# Altium PCB SbusServoTray.PcbDoc
Units mil, origin at the board's own origin, x right, y up, seen from the top; angles counter-clockwise.
Board outline 4454.24 x 1342.19 mil, 2 copper layers (Top Layer, Bottom Layer); 14 components, 13 nets, 47 pads, 7 vias.
Unrouted connection lines stored in the file: 7.
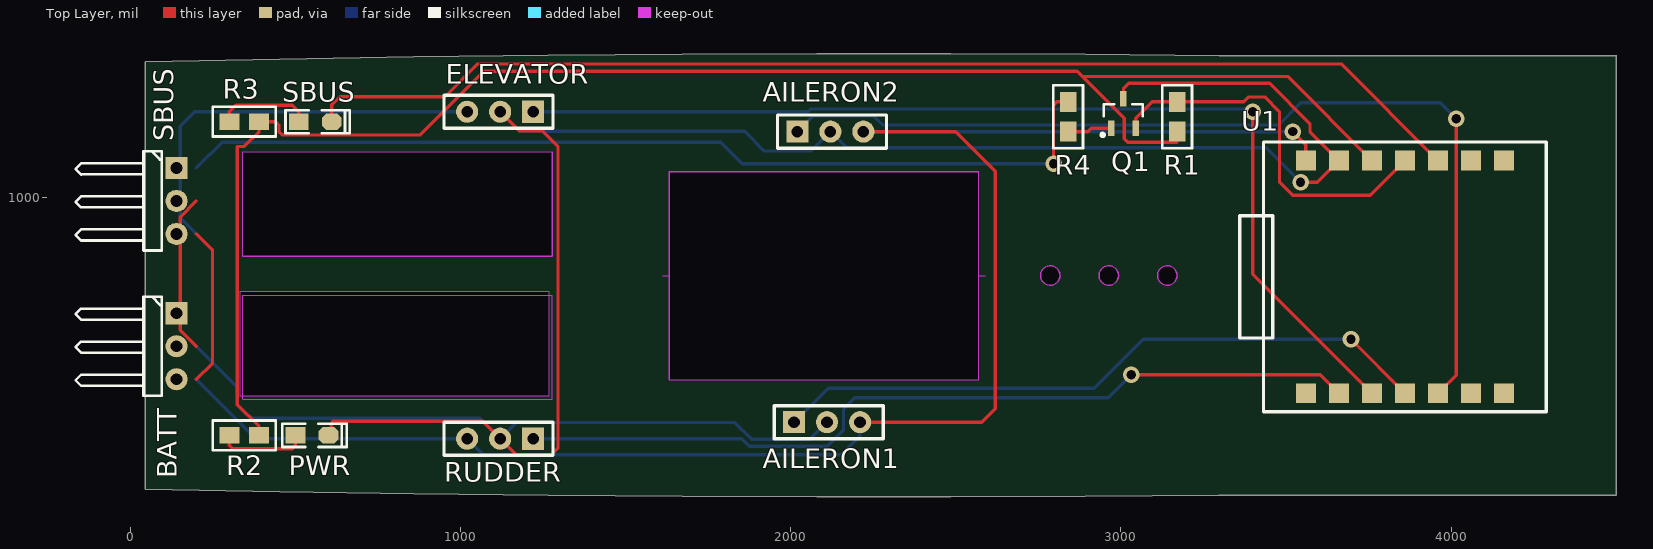
[diagram p0: Top Layer view]
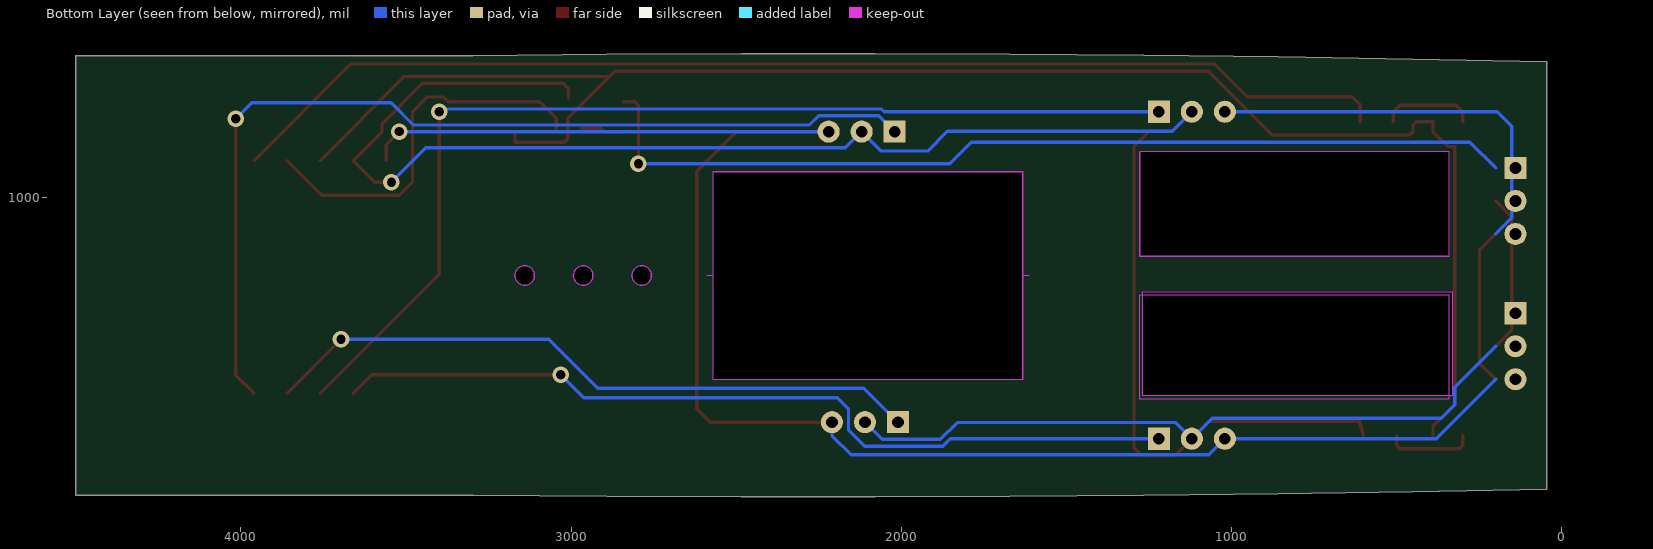
[diagram p1: Bottom Layer view, seen from below]

## Layer stack, top to bottom
Top Solder: solder mask 0.4, Solder Resist, Dk 3.5
Top Layer: signal copper 1.4
Dielectric 1: dielectric 12.6, FR-4, Dk 4.8
Bottom Layer: signal copper 1.4
Bottom Solder: solder mask 0.4, Solder Resist, Dk 3.5

## Board outline
45.76,117.66 ccw(c2246.42,100516.71) 3297.73,99.05 4499.05,99.05 4500,100 4500,1430 4499.73,1430.27 3297.73,1430.27 ccw(c2246.44,-94517.94) 45.76,1410.79
cut-out: 2569.38,449.26 2569.38,1079.18 1632.37,1079.18 1632.37,449.26
cut-out: 341.03,823.28 341.03,1138.24 1278.04,1138.24 1278.04,823.28
cut-out: 3140.25,734.69 cw(c3140.25,764.22) 3110.72,764.22 cw(c3140.25,764.22) 3140.25,793.75 cw(c3140.25,764.22) 3169.77,764.22 cw(c3140.25,764.22)
cut-out: 2963.08,734.69 cw(c2963.08,764.22) 2933.55,764.22 cw(c2963.08,764.22) 2963.08,793.75 cw(c2963.08,764.22) 2992.61,764.22 cw(c2963.08,764.22)
cut-out: 2785.92,734.69 cw(c2785.92,764.22) 2756.39,764.22 cw(c2785.92,764.22) 2785.92,793.75 cw(c2785.92,764.22) 2815.44,764.22 cw(c2785.92,764.22)
cut-out: 331.5,400 1268.5,400 1268.5,714.96 331.5,714.96

## Design rules (kind name [scope] priority, off if disabled: settings)
Clearance [All] p1: gap=10 ignorepadtopadclearanceinfootprint=FALSE
PolygonConnect [All] p1: connectstyle=Relief reliefconductorwidth=10 reliefentries=4 polygonreliefangle="90 Angle" airgapwidth=10
RoutingVias [All] p1: holewidth=28 width=50 viastyle="Through Hole" minholewidth=28 minwidth=50 maxholewidth=28 maxwidth=50
SolderMaskExpansion [All] p1: expansion=4 istentingtop=FALSE
Width PWR [InNetClass('PWR')] p1: maxlimit=20 minlimit=20 preferedwidth=20
Width [All] p2: maxlimit=20 minlimit=10 preferedwidth=10
30 further rules are at their usual default settings.

## Classes and differential pairs
component class SbusServoTray: AILERON2 BATT PWR Q1 R1 R2 R3 R4 RUDDER SBUS U1

## Components (designator, comment, footprint, x,y, rotation, side; value= is the part's Value field where it differs from the comment)
AILERON1 "ALIERON1" 2.54-3P 2110,320 r0 top (schematic designator JP3)
AILERON2 "ALIERON2" 2.54-3P 2120,1200 r0 top (schematic designator JP4)
BATT "BATTERY1-2s" HDR2.54-WI-3P 140,550 r270 top (schematic designator JP6)
ELEVATOR "ELEVATOR" 2.54-3P 1120,1260 r180 top (schematic designator JP2)
PWR "红色" "LED 0805B" 550,280 r0 top
Q1 "44H11" SOT23-3N 3007.4,1255 r0 top
R1 "10K" 0805R 3170,1200 r90 top
R2 "10K" 0805R 390,280 r180 top
R3 "10K" 0805R 390,1230 r180 top
R4 "1K" 0805R 2840,1290 r270 top
RUDDER "RUDDER" 2.54-3P 1120,270 r180 top (schematic designator JP1)
SBUS "红色" "LED 0805W" 560,1230 r0 top (schematic designator TEST)
SBUS "SBUS-IN" HDR2.54-WI-3P 140,990 r270 top (schematic designator JP5)
U1 "Seeeduino" Seeeduino 3860,760 r90 top locked

## Footprints (in the part's own frame and the unit in brackets; to place one, negate y for a bottom-side part, rotate by r counter-clockwise, add the part's x,y. Pads: shape width x height; smd on the part's side, far side on the other; paste and mask are expansions set on the pad)
2.54-3P [mm] "3脚带孔焊盘"
  rect 1.7x1.7 hole 0.9: 1(-2.54,0)
  round 1.7 hole 0.9: 2(0,0) 3(2.54,0)
  silkscreen extent -4.06,-1.27 4.32,1.27
0805R [mil]
  rect 60x50 smd: 1(0,0) 2(90,0)
  silkscreen extent -50,-45 140,45, body extent 5,-25 83,25, height 22
HDR2.54-WI-3P [mm] "弯脚排针，3脚"
  rect 1.7x1.7 hole 0.9: 1(-2.54,0)
  round 1.7 hole 0.9: 2(0,0) 3(2.54,0)
  silkscreen extent -3.81,-7.76 3.81,-1.14, body extent -3.81,-7.77 3.81,1.27, height 4.85
"LED 0805B" [mil] "蓝色0805LED"
  rect 60x50 smd: 1(-50,0)
  oct 60x50 smd: 2(50,0)
  silkscreen extent -90,-35 105,35, body extent -39,-25 39,25, height 32
"LED 0805W" [mil] "白色0805LED"
  rect 60x50 smd: 1(-50,0)
  oct 60x50 smd: 2(50,0)
  silkscreen extent -90,-35 105,35, body extent -39,-25 39,25, height 32
Seeeduino [mil] "Seeeduino"
  rect 60x60 smd mask+6: 0(-352.36,300) 1(-352.36,200) 2(-352.36,100) 3(-352.36,0) 4(-352.36,-100) 5(-352.36,-200) 6(-352.36,-300) 7(352.36,-300) 8(352.36,-200) 9(352.36,-100) 10(352.36,0) 11(352.36,100) 12(352.36,200) 13(352.36,300)
  silkscreen extent -408,-428 408,500, body extent -352,-419 352,470, height 177
SOT23-3N [mm] "3x1.3x1mm(长宽高)"
  rect 0.5x1.2 smd: 1(-0.95,-1.143) 2(0.95,-1.143) 3(0,1.143)
  silkscreen extent -1.72,-1.78 1.5,0.7, body extent -1.5,-1.2 1.5,1.2, height 1.05

## Part data
AILERON1 AILERON2 BATT ELEVATOR RUDDER SBUS: library part "Header 3", "3P接插件", BOM名称=3P接插件, 学习资源=www.ooocke.com, 版权归属=源创客
PWR SBUS: library part LED-SMD, "贴片LED", BOM名称=贴片LED, 学习资源=www.ooocke.com, 版权归属=源创客
Q1: "互补功率-NPN型", BOM名称=互补功率-NPN型, 学习资源=www.ooocke.com, 属性="80V 8A 50W", 版权归属=源创客
R1 R2 R3 R4: library part R, "贴片电阻", BOM名称=贴片电阻, 学习资源=www.ooocke.com, 版权归属=源创客

## Via types
v1: diameter 50, hole 28, Top Layer to Bottom Layer, 7 vias

## Nets (pads, with @x,y where several pads share a name; then routed paths per layer and width w, separated by ;. In a path a pad name is that pad's centre, name@x,y a point inside that pad or via, vN(x,y) a via of type N, cw(c..) or ccw(c..) an arc to the next point about the centre after c; other vN are vias at no path point)
A1: RUDDER.1 U1.1 | length 2599.7
  Top Layer w10: v1(3031,464) 3603.64,464 U1.1
  Bottom Layer w10: RUDDER.1 1851,270 1874,247 2110,247 2160,297 2160,360 2194,394 2961,394 v1(3031,464)
A2: ELEVATOR.1 U1.2 | length 3187.9
  Top Layer w10: v1(3399,1260) 3399,768.64 U1.2
  Bottom Layer w10: ELEVATOR.1 2051.53,1260 2060,1268.47 3390.53,1268.47 v1(3399,1260)
A3: AILERON1.1 U1.3 | length 2021.6
  Top Layer w10: v1(3696.64,571) U1.3
  Bottom Layer w10: AILERON1.1 2113,423 2919,423 3067,571 v1(3696.64,571)
A4: AILERON2.1 U1.4 | length 2928.6
  Top Layer w10: U1.4 4015,462.64 v1(4015,1239)
  Bottom Layer w10: AILERON2.1 2068.47,1248.47 2250.53,1248.47 2279,1220 3478,1220 3545,1287 3967,1287 v1(4015,1239)
A9: SBUS.2@610,1230 U1.9 | length 3573.6
  Top Layer w10: SBUS.2@610,1230 610,1281 635,1306 953,1306 1052,1405 3667.36,1405 U1.9
A10: Q1.2 R1.2 U1.10 | length 1163.7
  Top Layer w10: Q1.2 3044.8,1240 3094.8,1290 R1.2 3372,1290 3387,1305 3435,1305 3480,1260 3480,1047.49 3520.49,1007 3754.64,1007 U1.10
GND: AILERON1.2 AILERON2.2 BATT.2 ELEVATOR.2 PWR.2 Q1.3 RUDDER.2 SBUS.2@140,990 U1.12 | length 8014.6
  Top Layer w10: 200,550 151,599 151,941 200,990 ; PWR.2 613,323 1067,323 RUDDER.2 1169,221 1275,221 1295,241 1295,1155 1248,1202 1178,1202 ELEVATOR.2 ; Q1.3 3007.4,1330 3023.4,1346 3450,1346 3572.24,1223.76 3572.24,1200.12 U1.12 3594.64,1047 v1(3544,1047)
  Bottom Layer w10: 200,550 324,426 324,373 365,332 1058,332 RUDDER.2 1169,319 1831,319 1882,268 2058,268 AILERON1.2 ; ELEVATOR.2 1179,1201 1860,1201 1920,1141 2061,1141 AILERON2.2 2169,1151 3440,1151 v1(3544,1047)
NetPWR_1: PWR.1 R2.2 | length 268.3
  Top Layer w10: R2.2 300,250 310,240 490,240 500,250 PWR.1
NetQ1_1: Q1.1 R4.2 | length 134.1
  Top Layer w10: R4.2 2900,1200 2910,1210 Q1.1
NetR3_2: R3.2 SBUS.1@510,1230 | length 286.6
  Top Layer w10: R3.2 300,1260 320,1280 490,1280 510,1260 SBUS.1@510,1230
SBUS: R4.1 SBUS.1@140,1090 | length 2880.4
  Top Layer w10: v1(2796,1103) 2796,1280 2806,1290 R4.1
  Bottom Layer w10: 200,1090 278,1168 1788,1168 1853,1103 v1(2796,1103)
VCC: R1.1 R2.1 R3.1 U1.11 | length 5045.1
  Top Layer w10: R2.1 390,307 324,373 324,1155 345,1155 390,1200 R3.1 440,1230 450,1220 450,1200 460,1190 878,1190 1071,1383 2867,1383 2883,1367 ; R1.1 3170,1168 3020,1168 3010,1178 3010,1240 2883,1367 ; U1.11 3505.36,1367 2883,1367
VIN: AILERON1.3 AILERON2.3 BATT.3 ELEVATOR.3 RUDDER.3 SBUS.3 U1.13 | length 6882.1
  Top Layer w10: 200,450 249,499 249,841 200,890 ; AILERON1.3 2579,320 2619,360 2619,1080 2499,1200 AILERON2.3 ; v1(3520,1200) 3560,1160 U1.13
  Bottom Layer w10: 200,450 380,270 RUDDER.3 1069,221 2151.32,221 2210,279.68 AILERON1.3 ; 200,890 151,939 151,1216 195,1260 ELEVATOR.3 ; AILERON2.3 v1(3520,1200)
pads on no net: BATT.1 U1.0 U1.5 U1.6 U1.7 U1.8

## Keep-outs
Keep-Out Layer:
  circle w3: c2963.08,764.22 r29.53
  circle w3: c2785.92,764.22 r29.53
  circle w3: c3140.25,764.22 r29.53
  lines w3: 1612.69,764.22 1632.37,764.22 ; 2569.38,764.22 2589.06,764.22 ; 341.03,390.2 1278.04,390.2 1278.04,705.16 341.03,705.16 341.03,390.2 ; 341.03,823.28 1278.04,823.28 1278.04,1138.24 341.03,1138.24 341.03,823.28 ; 1632.37,449.26 2569.38,449.26 2569.38,1079.18 1632.37,1079.18 1632.37,449.26

## Silkscreen, mask and mechanical layers (free items; w line width, h text height)
Mechanical 1:
  lines w3: 3297.73,99.05 cw(c2246.42,100516.71) 45.76,117.66 45.76,1410.79 cw(c2246.44,-94517.94) 3297.73,1430.27
  lines w10: 3297.72,99.05 3297.73,99.05 4499.05,99.05 4500,100 4500,1430 4499.73,1430.27 3297.73,1430.27